# KiCad board mezi_panel.kicad_pcb (continued)
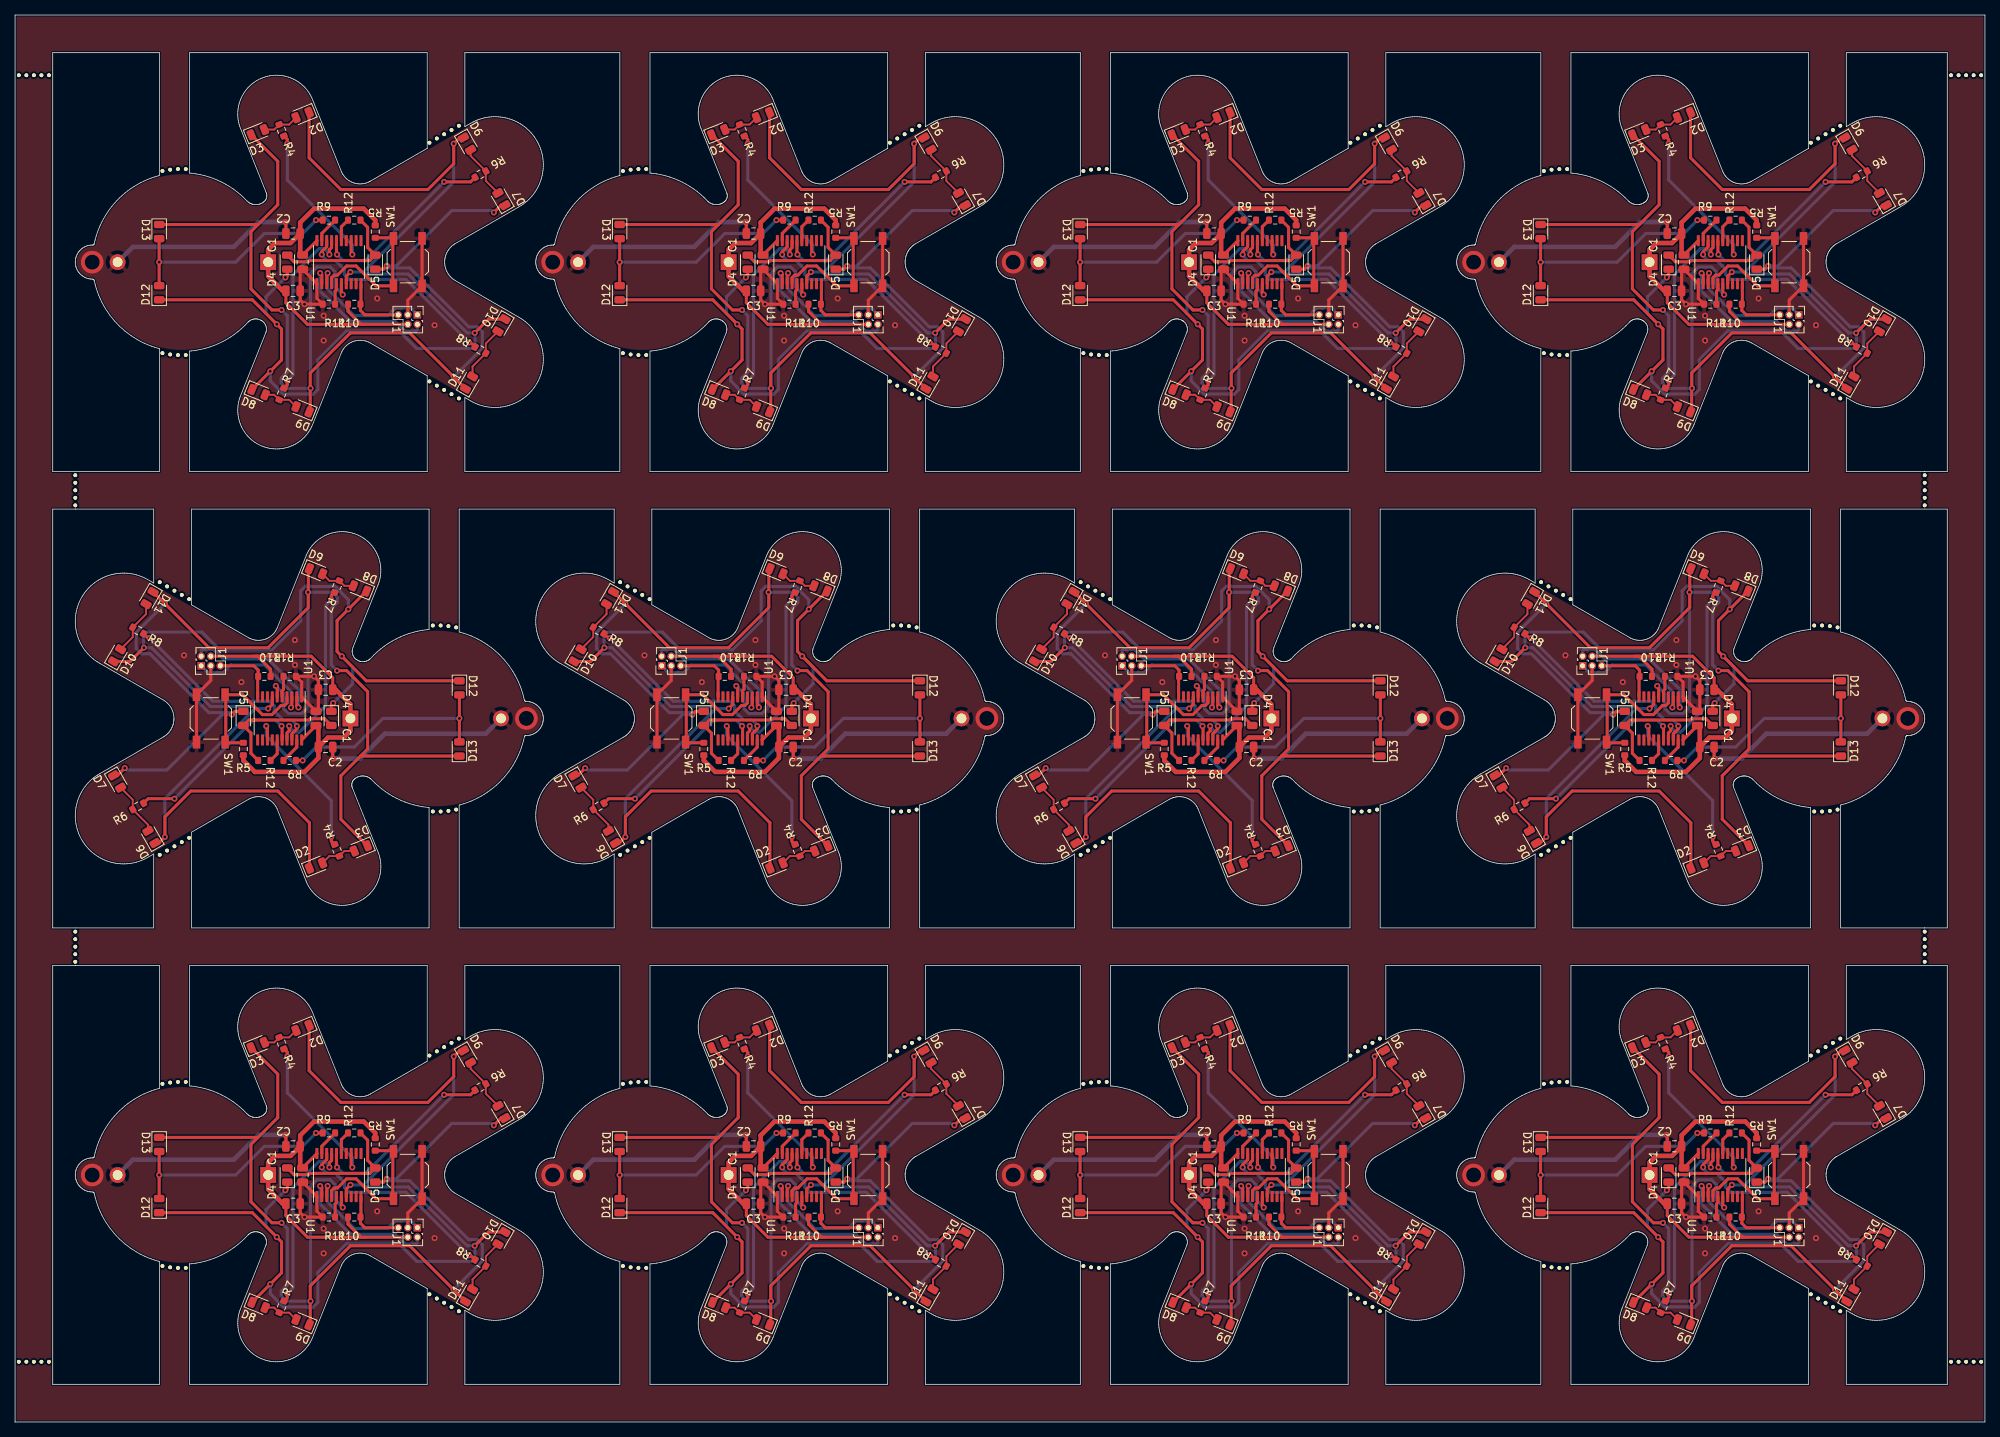
[diagram p0: board, top side]
## Placement (name value [footprint] x y rotation side) (continued)
KiKit_MB_41_2  -  [NPTH]  141.88 20.72 0 top
KiKit_MB_41_3  -  [NPTH]  142.9 20.55 0 top
KiKit_MB_41_4  -  [NPTH]  143.94 20.47 0 top
KiKit_MB_41_5  -  [NPTH]  144.98 20.47 0 top
KiKit_MB_42_2  -  [NPTH]  177.34 16.97 0 top
KiKit_MB_42_3  -  [NPTH]  178.32 16.4 0 top
KiKit_MB_42_4  -  [NPTH]  179.29 15.84 0 top
KiKit_MB_42_5  -  [NPTH]  180.27 15.28 0 top
KiKit_MB_42_6  -  [NPTH]  181.25 14.71 0 top
KiKit_MB_43_2  -  [NPTH]  181.25 50.95 0 top
KiKit_MB_43_3  -  [NPTH]  180.27 50.38 0 top
KiKit_MB_43_4  -  [NPTH]  179.29 49.82 0 top
KiKit_MB_43_5  -  [NPTH]  178.32 49.25 0 top
KiKit_MB_43_6  -  [NPTH]  177.34 48.69 0 top
KiKit_MB_44_2  -  [NPTH]  144.98 45.19 0 top
KiKit_MB_44_3  -  [NPTH]  143.94 45.19 0 top
KiKit_MB_44_4  -  [NPTH]  142.9 45.11 0 top
KiKit_MB_44_5  -  [NPTH]  141.88 44.93 0 top
KiKit_MB_45_2  -  [NPTH]  203.03 20.72 0 top
KiKit_MB_45_3  -  [NPTH]  204.06 20.55 0 top
KiKit_MB_45_4  -  [NPTH]  205.09 20.47 0 top
KiKit_MB_45_5  -  [NPTH]  206.13 20.47 0 top
KiKit_MB_46_2  -  [NPTH]  238.49 16.97 0 top
KiKit_MB_46_3  -  [NPTH]  239.47 16.4 0 top
KiKit_MB_46_4  -  [NPTH]  240.45 15.84 0 top
KiKit_MB_46_5  -  [NPTH]  241.42 15.28 0 top
KiKit_MB_46_6  -  [NPTH]  242.4 14.71 0 top
KiKit_MB_47_2  -  [NPTH]  242.4 50.95 0 top
KiKit_MB_47_3  -  [NPTH]  241.42 50.38 0 top
KiKit_MB_47_4  -  [NPTH]  240.45 49.82 0 top
KiKit_MB_47_5  -  [NPTH]  239.47 49.25 0 top
KiKit_MB_47_6  -  [NPTH]  238.49 48.69 0 top
KiKit_MB_48_2  -  [NPTH]  206.13 45.19 0 top
KiKit_MB_48_3  -  [NPTH]  205.09 45.19 0 top
KiKit_MB_48_4  -  [NPTH]  204.06 45.11 0 top
KiKit_MB_48_5  -  [NPTH]  203.03 44.93 0 top
KiKit_MB_51_2  -  [NPTH]  8 125.82 0 top
KiKit_MB_51_3  -  [NPTH]  8 124.82 0 top
KiKit_MB_51_4  -  [NPTH]  8 123.82 0 top
KiKit_MB_51_5  -  [NPTH]  8 122.82 0 top
KiKit_MB_51_6  -  [NPTH]  8 121.82 0 top
KiKit_MB_52_2  -  [NPTH]  253.61 125.82 0 top
KiKit_MB_52_3  -  [NPTH]  253.61 124.82 0 top
KiKit_MB_52_4  -  [NPTH]  253.61 123.82 0 top
KiKit_MB_52_5  -  [NPTH]  253.61 122.82 0 top
KiKit_MB_52_6  -  [NPTH]  253.61 121.82 0 top
KiKit_MB_56_2  -  [NPTH]  8 65.16 0 top
KiKit_MB_56_3  -  [NPTH]  8 64.16 0 top
KiKit_MB_56_4  -  [NPTH]  8 63.16 0 top
KiKit_MB_56_5  -  [NPTH]  8 62.16 0 top
KiKit_MB_56_6  -  [NPTH]  8 61.16 0 top
KiKit_MB_57_2  -  [NPTH]  253.61 65.16 0 top
KiKit_MB_57_3  -  [NPTH]  253.61 64.16 0 top
KiKit_MB_57_4  -  [NPTH]  253.61 63.16 0 top
KiKit_MB_57_5  -  [NPTH]  253.61 62.16 0 top
KiKit_MB_57_6  -  [NPTH]  253.61 61.16 0 top
KiKit_MB_62_2  -  [NPTH]  0.5 178.98 0 top
KiKit_MB_62_3  -  [NPTH]  1.5 178.98 0 top
KiKit_MB_62_4  -  [NPTH]  2.5 178.98 0 top
KiKit_MB_62_5  -  [NPTH]  3.5 178.98 0 top
KiKit_MB_62_6  -  [NPTH]  4.5 178.98 0 top
KiKit_MB_63_2  -  [NPTH]  0.5 8 0 top
KiKit_MB_63_3  -  [NPTH]  1.5 8 0 top
KiKit_MB_63_4  -  [NPTH]  2.5 8 0 top
KiKit_MB_63_5  -  [NPTH]  3.5 8 0 top
KiKit_MB_63_6  -  [NPTH]  4.5 8 0 top
KiKit_MB_64_2  -  [NPTH]  257.11 178.98 0 top
KiKit_MB_64_3  -  [NPTH]  258.11 178.98 0 top
KiKit_MB_64_4  -  [NPTH]  259.11 178.98 0 top
KiKit_MB_64_5  -  [NPTH]  260.11 178.98 0 top
KiKit_MB_64_6  -  [NPTH]  261.11 178.98 0 top
KiKit_MB_65_2  -  [NPTH]  257.11 8 0 top
KiKit_MB_65_3  -  [NPTH]  258.11 8 0 top
KiKit_MB_65_4  -  [NPTH]  259.11 8 0 top
KiKit_MB_65_5  -  [NPTH]  260.11 8 0 top
KiKit_MB_65_6  -  [NPTH]  261.11 8 0 top
R4  1k  [R_0603_1608Metric]  42.76 75.97 112 top
R4#2  1k  [R_0603_1608Metric]  96.55 50.34 292 top
R4#3  1k  [R_0603_1608Metric]  165.07 75.97 112 top
R4#4  1k  [R_0603_1608Metric]  157.7 50.34 292 top
R4#5  1k  [R_0603_1608Metric]  35.39 50.34 292 top
R4#6  1k  [R_0603_1608Metric]  35.39 171.66 292 top
R4#7  1k  [R_0603_1608Metric]  157.7 171.66 292 top
R4#8  1k  [R_0603_1608Metric]  218.85 50.34 292 top
R4#9  1k  [R_0603_1608Metric]  103.91 75.97 112 top
R4#10  1k  [R_0603_1608Metric]  226.22 75.97 112 top
R4#11  1k  [R_0603_1608Metric]  218.85 171.66 292 top
R4#12  1k  [R_0603_1608Metric]  96.55 171.66 292 top
R5  1k  [R_0603_1608Metric]  106.2 38.41 180 top
R5#2  1k  [R_0603_1608Metric]  228.5 159.72 180 top
R5#3  1k  [R_0603_1608Metric]  94.26 87.91 0 top
R5#4  1k  [R_0603_1608Metric]  106.2 159.72 180 top
R5#5  1k  [R_0603_1608Metric]  45.05 38.41 180 top
R5#6  1k  [R_0603_1608Metric]  167.35 38.41 180 top
R5#7  1k  [R_0603_1608Metric]  45.05 159.72 180 top
R5#8  1k  [R_0603_1608Metric]  216.57 87.91 0 top
R5#9  1k  [R_0603_1608Metric]  167.35 159.72 180 top
R5#10  1k  [R_0603_1608Metric]  155.41 87.91 0 top
R5#11  1k  [R_0603_1608Metric]  33.11 87.91 0 top
R5#12  1k  [R_0603_1608Metric]  228.5 38.41 180 top
R6  1k  [R_0603_1608Metric]  61.81 44.5 210 top
R6#2  1k  [R_0603_1608Metric]  138.65 81.82 30 top
R6#3  1k  [R_0603_1608Metric]  122.96 165.82 210 top
R6#4  1k  [R_0603_1608Metric]  16.34 81.82 30 top
R6#5  1k  [R_0603_1608Metric]  77.5 81.82 30 top
R6#6  1k  [R_0603_1608Metric]  245.27 165.82 210 top
R6#7  1k  [R_0603_1608Metric]  122.96 44.5 210 top
R6#8  1k  [R_0603_1608Metric]  184.12 165.82 210 top
R6#9  1k  [R_0603_1608Metric]  184.12 44.5 210 top
R6#10  1k  [R_0603_1608Metric]  199.8 81.82 30 top
R6#11  1k  [R_0603_1608Metric]  61.81 165.82 210 top
R6#12  1k  [R_0603_1608Metric]  245.27 44.5 210 top
R7  1k  [R_0603_1608Metric]  226.22 111.03 248 top
R7#2  1k  [R_0603_1608Metric]  42.76 111.03 248 top
R7#3  1k  [R_0603_1608Metric]  218.85 136.61 68 top
R7#4  1k  [R_0603_1608Metric]  96.55 136.61 68 top
R7#5  1k  [R_0603_1608Metric]  103.91 111.03 248 top
R7#6  1k  [R_0603_1608Metric]  157.7 136.61 68 top
R7#7  1k  [R_0603_1608Metric]  96.55 15.29 68 top
R7#8  1k  [R_0603_1608Metric]  35.39 15.29 68 top
R7#9  1k  [R_0603_1608Metric]  165.07 111.03 248 top
R7#10  1k  [R_0603_1608Metric]  218.85 15.29 68 top
R7#11  1k  [R_0603_1608Metric]  157.7 15.29 68 top
R7#12  1k  [R_0603_1608Metric]  35.39 136.61 68 top
R8  1k  [R_0603_1608Metric]  245.27 21.13 150 top
R8#2  1k  [R_0603_1608Metric]  122.96 21.13 150 top
R8#3  1k  [R_0603_1608Metric]  184.12 21.13 150 top
R8#4  1k  [R_0603_1608Metric]  77.5 105.18 330 top
R8#5  1k  [R_0603_1608Metric]  61.81 21.13 150 top
R8#6  1k  [R_0603_1608Metric]  122.96 142.45 150 top
R8#7  1k  [R_0603_1608Metric]  16.34 105.18 330 top
R8#8  1k  [R_0603_1608Metric]  61.81 142.45 150 top
R8#9  1k  [R_0603_1608Metric]  245.27 142.45 150 top
R8#10  1k  [R_0603_1608Metric]  184.12 142.45 150 top
R8#11  1k  [R_0603_1608Metric]  138.65 105.18 330 top
R8#12  1k  [R_0603_1608Metric]  199.8 105.18 330 top
R9  1k  [R_0603_1608Metric]  225.14 159.72 0 top
R9#2  1k  [R_0603_1608Metric]  163.99 159.72 0 top
R9#3  1k  [R_0603_1608Metric]  219.93 87.91 180 top
R9#4  1k  [R_0603_1608Metric]  163.99 38.41 0 top
R9#5  1k  [R_0603_1608Metric]  102.83 159.72 0 top
R9#6  1k  [R_0603_1608Metric]  97.63 87.91 180 top
R9#7  1k  [R_0603_1608Metric]  225.14 38.41 0 top
R9#8  1k  [R_0603_1608Metric]  41.68 159.72 0 top
R9#9  1k  [R_0603_1608Metric]  41.68 38.41 0 top
R9#10  1k  [R_0603_1608Metric]  102.83 38.41 0 top
R9#11  1k  [R_0603_1608Metric]  158.78 87.91 180 top
R9#12  1k  [R_0603_1608Metric]  36.47 87.91 180 top
R10  100k  [R_0603_1608Metric]  216.57 99.09 180 top
R10#2  100k  [R_0603_1608Metric]  228.5 27.23 0 top
R10#3  100k  [R_0603_1608Metric]  106.2 148.55 0 top
R10#4  100k  [R_0603_1608Metric]  167.35 27.23 0 top
R10#5  100k  [R_0603_1608Metric]  45.05 148.55 0 top
R10#6  100k  [R_0603_1608Metric]  94.26 99.09 180 top
R10#7  100k  [R_0603_1608Metric]  167.35 148.55 0 top
R10#8  100k  [R_0603_1608Metric]  155.41 99.09 180 top
R10#9  100k  [R_0603_1608Metric]  45.05 27.23 0 top
R10#10  100k  [R_0603_1608Metric]  228.5 148.55 0 top
R10#11  100k  [R_0603_1608Metric]  33.11 99.09 180 top
R10#12  100k  [R_0603_1608Metric]  106.2 27.23 0 top
R11  100k  [R_0603_1608Metric]  97.63 99.09 180 top
R11#2  100k  [R_0603_1608Metric]  41.68 148.55 0 top
R11#3  100k  [R_0603_1608Metric]  158.78 99.09 180 top
R11#4  100k  [R_0603_1608Metric]  102.83 148.55 0 top
R11#5  100k  [R_0603_1608Metric]  41.68 27.23 0 top
R11#6  100k  [R_0603_1608Metric]  225.14 27.23 0 top
R11#7  100k  [R_0603_1608Metric]  225.14 148.55 0 top
R11#8  100k  [R_0603_1608Metric]  163.99 27.23 0 top
R11#9  100k  [R_0603_1608Metric]  163.99 148.55 0 top
R11#10  100k  [R_0603_1608Metric]  219.93 99.09 180 top
R11#11  100k  [R_0603_1608Metric]  36.47 99.09 180 top
R11#12  100k  [R_0603_1608Metric]  102.83 27.23 0 top
R12  100k  [R_0603_1608Metric]  231.3 158.2 90 top
R12#2  100k  [R_0603_1608Metric]  152.62 89.44 270 top
R12#3  100k  [R_0603_1608Metric]  30.31 89.44 270 top
R12#4  100k  [R_0603_1608Metric]  108.99 36.88 90 top
R12#5  100k  [R_0603_1608Metric]  108.99 158.2 90 top
R12#6  100k  [R_0603_1608Metric]  213.77 89.44 270 top
R12#7  100k  [R_0603_1608Metric]  170.15 158.2 90 top
R12#8  100k  [R_0603_1608Metric]  170.15 36.88 90 top
R12#9  100k  [R_0603_1608Metric]  47.84 158.2 90 top
R12#10  100k  [R_0603_1608Metric]  231.3 36.88 90 top
R12#11  100k  [R_0603_1608Metric]  91.47 89.44 270 top
R12#12  100k  [R_0603_1608Metric]  47.84 36.88 90 top
SW1  SW_DPST_x2  [SW_SPST_TL3342]  174.46 32.82 90 top
SW1#2  SW_DPST_x2  [SW_SPST_TL3342]  87.15 93.5 270 top
SW1#3  SW_DPST_x2  [SW_SPST_TL3342]  174.46 154.13 90 top
SW1#4  SW_DPST_x2  [SW_SPST_TL3342]  235.62 154.13 90 top
SW1#5  SW_DPST_x2  [SW_SPST_TL3342]  113.31 32.82 90 top
SW1#6  SW_DPST_x2  [SW_SPST_TL3342]  235.62 32.82 90 top
SW1#7  SW_DPST_x2  [SW_SPST_TL3342]  26 93.5 270 top
SW1#8  SW_DPST_x2  [SW_SPST_TL3342]  209.46 93.5 270 top
SW1#9  SW_DPST_x2  [SW_SPST_TL3342]  113.31 154.13 90 top
SW1#10  SW_DPST_x2  [SW_SPST_TL3342]  148.3 93.5 270 top
SW1#11  SW_DPST_x2  [SW_SPST_TL3342]  52.16 154.13 90 top
SW1#12  SW_DPST_x2  [SW_SPST_TL3342]  52.16 32.82 90 top
U1  PY32F002AF15P6TU  [TSSOP-20_4.4x6.5mm_P0.65mm]  218.6 93.5 90 top
U1#2  PY32F002AF15P6TU  [TSSOP-20_4.4x6.5mm_P0.65mm]  165.32 154.13 270 top
U1#3  PY32F002AF15P6TU  [TSSOP-20_4.4x6.5mm_P0.65mm]  43.01 154.13 270 top
U1#4  PY32F002AF15P6TU  [TSSOP-20_4.4x6.5mm_P0.65mm]  165.32 32.82 270 top
U1#5  PY32F002AF15P6TU  [TSSOP-20_4.4x6.5mm_P0.65mm]  96.29 93.5 90 top
U1#6  PY32F002AF15P6TU  [TSSOP-20_4.4x6.5mm_P0.65mm]  157.45 93.5 90 top
U1#7  PY32F002AF15P6TU  [TSSOP-20_4.4x6.5mm_P0.65mm]  226.47 32.82 270 top
U1#8  PY32F002AF15P6TU  [TSSOP-20_4.4x6.5mm_P0.65mm]  43.01 32.82 270 top
U1#9  PY32F002AF15P6TU  [TSSOP-20_4.4x6.5mm_P0.65mm]  104.17 32.82 270 top
U1#10  PY32F002AF15P6TU  [TSSOP-20_4.4x6.5mm_P0.65mm]  104.17 154.13 270 top
U1#11  PY32F002AF15P6TU  [TSSOP-20_4.4x6.5mm_P0.65mm]  35.14 93.5 90 top
U1#12  PY32F002AF15P6TU  [TSSOP-20_4.4x6.5mm_P0.65mm]  226.47 154.13 270 top

## Library data of the parts
BT1 BT1#2-BT1#12 = -: Description: Multiple-cell battery
C1 C1#2-C1#12 C2 C2#2-C2#12 C3 C3#2-C3#12 = -: Description: Unpolarized capacitor
D2 D2#2-D2#12 D3 D3#2-D3#12 D4 D4#2-D4#12 D5 D5#2-D5#12 D6 D6#2-D6#12 D7 D7#2-D7#12 D8 D8#2-D8#12 D9 D9#2-D9#12 D10 D10#2-D10#12 D11 D11#2-D11#12 D12 D12#2-D12#12 D13 D13#2-D13#12 = -: Description: Light emitting diode
J1 J1#2-J1#12 = -: Description: Generic connector, double row, 05 pins, odd/even pin numbering scheme (row 1 odd numbers, row 2 even numbers), script generated (kicad-library-utils/schlib/autogen/connector/)
R4 R4#2-R4#12 R5 R5#2-R5#12 R6 R6#2-R6#12 R7 R7#2-R7#12 R8 R8#2-R8#12 R9 R9#2-R9#12 R10 R10#2-R10#12 R11 R11#2-R11#12 R12 R12#2-R12#12 = -: Description: Resistor
SW1 SW1#2-SW1#12 = -: Description: Single Pole Single Throw (SPST) switch, separate symbol

## Footprints (pads in the part's own frame, mm; a bottom-side part is the same pattern mirrored in y, then rotated)
C_0805_2012Metric
  rrect 1x1.45 smd: 1(-0.95,0) 2(0.95,0)
CR2032_Holder
  rect 2.1x2.1 hole 1.3: 1(0,0)
  round 2.1 hole 1.3: 2(20,0)
LED_0805_2012Metric
  rrect 0.975x1.4 smd: 1(-0.938,0) 2(0.938,0)
NPTH
  round 0.5 hole 0.5 unplated: (0,0)
ProgConnector_5pin
  rect 1x1 hole 0.65: 1(0,0)
  oval 1x1 hole 0.65: 2(1.27,0) 3(0,-1.27) 4(1.27,-1.27) 5(0,-2.54)
R_0603_1608Metric
  rrect 0.8x0.95 smd: 1(-0.825,0) 2(0.825,0)
SW_SPST_TL3342
  rect 1.7x1 smd: 1(-3.15,1.9) 1(3.15,1.9) 2(-3.15,-1.9) 2(3.15,-1.9)
TSSOP-20_4.4x6.5mm_P0.65mm
  rrect 1.475x0.4 smd: 1(2.862,-2.925) 2(2.862,-2.275) 3(2.862,-1.625) 4(2.862,-0.975) 5(2.862,-0.325) 6(2.862,0.325) 7(2.862,0.975) 8(2.862,1.625) 9(2.862,2.275) 10(2.862,2.925) 11(-2.862,2.925) 12(-2.862,2.275) 13(-2.862,1.625) 14(-2.862,0.975) 15(-2.862,0.325) 16(-2.862,-0.325) 17(-2.862,-0.975) 18(-2.862,-1.625) 19(-2.862,-2.275) 20(-2.862,-2.925)

## Nets
Board_0-/B: U1#3.12
Board_0-/G: U1#3.14
Board_0-/L1: R4#6.2 U1#3.13
Board_0-/L2: R5#7.2 U1#3.15
Board_0-/L3: R6#11.2 U1#3.16
Board_0-/L4: R7#12.2 U1#3.17
Board_0-/L5: R8#8.2 U1#3.18
Board_0-/L6: R9#8.2 U1#3.19
Board_0-/MPX1: D3#11.1 D5#5.1 D7#6.1 D9#5.1 D11#9.1 D13.1 U1#3.6
Board_0-/MPX2: D2#4.1 D4#9.1 D6#7.1 D8#6.1 D10#2.1 D12#5.1 U1#3.7
Board_0-/nRST: J1#11.5 R10#5.2 U1#3.10
Board_0-/R: U1#3.11
Board_0-/SWC: J1#11.1 U1#3.3
Board_0-/SWD: J1#11.2 U1#3.2
Board_0-GND: BT1#12.2 C1#8.1 C2#4.2 C3#10.2 J1#11.3 R11#2.1 SW1#11.2 U1#3.1
Board_0-Net-(D2-A): D2#4.2 D3#11.2 R4#6.1
Board_0-Net-(D4-A): D4#9.2 D5#5.2 R5#7.1
Board_0-Net-(D6-A): D6#7.2 D7#6.2 R6#11.1
Board_0-Net-(D8-A): D8#6.2 D9#5.2 R7#12.1
Board_0-Net-(D10-A): D10#2.2 D11#9.2 R8#8.1
Board_0-Net-(D12-A): D12#5.2 D13.2 R9#8.1
Board_0-Net-(SW1A-A): R12#9.1 SW1#11.1 U1#3.4
Board_0-Net-(U1-PB6/PF4-BOOT0): R11#2.2 U1#3.5
Board_0-unconnected-(U1-PF0-OSCIN-Pad8): U1#3.8
Board_0-unconnected-(U1-PF1-OSCOUT-Pad9): U1#3.9
Board_0-VCC: BT1#12.1 C1#8.2 C2#4.1 C3#10.1 J1#11.4 R10#5.1 R12#9.2 U1#3.20
Board_1-/B: U1#10.12
Board_1-/G: U1#10.14
Board_1-/L1: R4#12.2 U1#10.13
Board_1-/L2: R5#4.2 U1#10.15
Board_1-/L3: R6#3.2 U1#10.16
Board_1-/L4: R7#4.2 U1#10.17
Board_1-/L5: R8#6.2 U1#10.18
Board_1-/L6: R9#5.2 U1#10.19
Board_1-/MPX1: D3#2.1 D5#3.1 D7#10.1 D9#6.1 D11.1 D13#9.1 U1#10.6
Board_1-/MPX2: D2#2.1 D4.1 D6#2.1 D8#9.1 D10#6.1 D12#12.1 U1#10.7
Board_1-/nRST: J1#2.5 R10#3.2 U1#10.10
Board_1-/R: U1#10.11
Board_1-/SWC: J1#2.1 U1#10.3
Board_1-/SWD: J1#2.2 U1#10.2
Board_1-GND: BT1.2 C1#5.1 C2#11.2 C3#6.2 J1#2.3 R11#4.1 SW1#9.2 U1#10.1
Board_1-Net-(D2-A): D2#2.2 D3#2.2 R4#12.1
Board_1-Net-(D4-A): D4.2 D5#3.2 R5#4.1
Board_1-Net-(D6-A): D6#2.2 D7#10.2 R6#3.1
Board_1-Net-(D8-A): D8#9.2 D9#6.2 R7#4.1
Board_1-Net-(D10-A): D10#6.2 D11.2 R8#6.1
Board_1-Net-(D12-A): D12#12.2 D13#9.2 R9#5.1
Board_1-Net-(SW1A-A): R12#5.1 SW1#9.1 U1#10.4
Board_1-Net-(U1-PB6/PF4-BOOT0): R11#4.2 U1#10.5
Board_1-unconnected-(U1-PF0-OSCIN-Pad8): U1#10.8
Board_1-unconnected-(U1-PF1-OSCOUT-Pad9): U1#10.9
Board_1-VCC: BT1.1 C1#5.2 C2#11.1 C3#6.1 J1#2.4 R10#3.1 R12#5.2 U1#10.20
Board_2-/B: U1#2.12
Board_2-/G: U1#2.14
Board_2-/L1: R4#7.2 U1#2.13
Board_2-/L2: R5#9.2 U1#2.15
Board_2-/L3: R6#8.2 U1#2.16
Board_2-/L4: R7#6.2 U1#2.17
Board_2-/L5: R8#10.2 U1#2.18
Board_2-/L6: R9#2.2 U1#2.19
Board_2-/MPX1: D3#7.1 D5#2.1 D7#12.1 D9.1 D11#2.1 D13#5.1 U1#2.6
Board_2-/MPX2: D2#11.1 D4#4.1 D6#5.1 D8#2.1 D10#8.1 D12.1 U1#2.7
Board_2-/nRST: J1#5.5 R10#7.2 U1#2.10
Board_2-/R: U1#2.11
Board_2-/SWC: J1#5.1 U1#2.3
Board_2-/SWD: J1#5.2 U1#2.2
Board_2-GND: BT1#6.2 C1#3.1 C2#2.2 C3.2 J1#5.3 R11#9.1 SW1#3.2 U1#2.1
Board_2-Net-(D2-A): D2#11.2 D3#7.2 R4#7.1
Board_2-Net-(D4-A): D4#4.2 D5#2.2 R5#9.1
Board_2-Net-(D6-A): D6#5.2 D7#12.2 R6#8.1
Board_2-Net-(D8-A): D8#2.2 D9.2 R7#6.1
Board_2-Net-(D10-A): D10#8.2 D11#2.2 R8#10.1
Board_2-Net-(D12-A): D12.2 D13#5.2 R9#2.1
Board_2-Net-(SW1A-A): R12#7.1 SW1#3.1 U1#2.4
Board_2-Net-(U1-PB6/PF4-BOOT0): R11#9.2 U1#2.5
Board_2-unconnected-(U1-PF0-OSCIN-Pad8): U1#2.8
Board_2-unconnected-(U1-PF1-OSCOUT-Pad9): U1#2.9
Board_2-VCC: BT1#6.1 C1#3.2 C2#2.1 C3.1 J1#5.4 R10#7.1 R12#7.2 U1#2.20
Board_3-/B: U1#12.12
Board_3-/G: U1#12.14
Board_3-/L1: R4#11.2 U1#12.13
Board_3-/L2: R5#2.2 U1#12.15
Board_3-/L3: R6#6.2 U1#12.16
Board_3-/L4: R7#3.2 U1#12.17
Board_3-/L5: R8#9.2 U1#12.18
Board_3-/L6: R9.2 U1#12.19
Board_3-/MPX1: D3.1 D5#6.1 D7.1 D9#7.1 D11#6.1 D13#3.1 U1#12.6
Board_3-/MPX2: D2#9.1 D4#11.1 D6#10.1 D8#7.1 D10#10.1 D12#3.1 U1#12.7
Board_3-/nRST: J1#6.5 R10#10.2 U1#12.10
Board_3-/R: U1#12.11
Board_3-/SWC: J1#6.1 U1#12.3
Board_3-/SWD: J1#6.2 U1#12.2
Board_3-GND: BT1#4.2 C1#11.1 C2#7.2 C3#2.2 J1#6.3 R11#7.1 SW1#4.2 U1#12.1
Board_3-Net-(D2-A): D2#9.2 D3.2 R4#11.1
Board_3-Net-(D4-A): D4#11.2 D5#6.2 R5#2.1
Board_3-Net-(D6-A): D6#10.2 D7.2 R6#6.1
Board_3-Net-(D8-A): D8#7.2 D9#7.2 R7#3.1
Board_3-Net-(D10-A): D10#10.2 D11#6.2 R8#9.1
Board_3-Net-(D12-A): D12#3.2 D13#3.2 R9.1
Board_3-Net-(SW1A-A): R12.1 SW1#4.1 U1#12.4
Board_3-Net-(U1-PB6/PF4-BOOT0): R11#7.2 U1#12.5
Board_3-unconnected-(U1-PF0-OSCIN-Pad8): U1#12.8
Board_3-unconnected-(U1-PF1-OSCOUT-Pad9): U1#12.9
Board_3-VCC: BT1#4.1 C1#11.2 C2#7.1 C3#2.1 J1#6.4 R10#10.1 R12.2 U1#12.20
Board_4-/B: U1#11.12
Board_4-/G: U1#11.14
Board_4-/L1: R4.2 U1#11.13
Board_4-/L2: R5#11.2 U1#11.15
Board_4-/L3: R6#4.2 U1#11.16
Board_4-/L4: R7#2.2 U1#11.17
Board_4-/L5: R8#7.2 U1#11.18
Board_4-/L6: R9#12.2 U1#11.19
Board_4-/MPX1: D3#4.1 D5#10.1 D7#9.1 D9#9.1 D11#12.1 D13#12.1 U1#11.6
Board_4-/MPX2: D2#5.1 D4#8.1 D6#8.1 D8#10.1 D10#9.1 D12#11.1 U1#11.7
Board_4-/nRST: J1#8.5 R10#11.2 U1#11.10
Board_4-/R: U1#11.11
Board_4-/SWC: J1#8.1 U1#11.3
Board_4-/SWD: J1#8.2 U1#11.2
Board_4-GND: BT1#2.2 C1#6.1 C2#6.2 C3#12.2 J1#8.3 R11#11.1 SW1#7.2 U1#11.1
Board_4-Net-(D2-A): D2#5.2 D3#4.2 R4.1
Board_4-Net-(D4-A): D4#8.2 D5#10.2 R5#11.1
Board_4-Net-(D6-A): D6#8.2 D7#9.2 R6#4.1
Board_4-Net-(D8-A): D8#10.2 D9#9.2 R7#2.1
Board_4-Net-(D10-A): D10#9.2 D11#12.2 R8#7.1
Board_4-Net-(D12-A): D12#11.2 D13#12.2 R9#12.1
Board_4-Net-(SW1A-A): R12#3.1 SW1#7.1 U1#11.4
Board_4-Net-(U1-PB6/PF4-BOOT0): R11#11.2 U1#11.5
Board_4-unconnected-(U1-PF0-OSCIN-Pad8): U1#11.8
Board_4-unconnected-(U1-PF1-OSCOUT-Pad9): U1#11.9
Board_4-VCC: BT1#2.1 C1#6.2 C2#6.1 C3#12.1 J1#8.4 R10#11.1 R12#3.2 U1#11.20
Board_5-/B: U1#5.12
Board_5-/G: U1#5.14
Board_5-/L1: R4#9.2 U1#5.13
Board_5-/L2: R5#3.2 U1#5.15
Board_5-/L3: R6#5.2 U1#5.16
Board_5-/L4: R7#5.2 U1#5.17
Board_5-/L5: R8#4.2 U1#5.18
Board_5-/L6: R9#6.2 U1#5.19
Board_5-/MPX1: D3#9.1 D5.1 D7#11.1 D9#4.1 D11#10.1 D13#4.1 U1#5.6
Board_5-/MPX2: D2#8.1 D4#12.1 D6#9.1 D8#8.1 D10#7.1 D12#2.1 U1#5.7
Board_5-/nRST: J1#3.5 R10#6.2 U1#5.10
Board_5-/R: U1#5.11
Board_5-/SWC: J1#3.1 U1#5.3
Board_5-/SWD: J1#3.2 U1#5.2
Board_5-GND: BT1#8.2 C1#7.1 C2#5.2 C3#4.2 J1#3.3 R11.1 SW1#2.2 U1#5.1
Board_5-Net-(D2-A): D2#8.2 D3#9.2 R4#9.1
Board_5-Net-(D4-A): D4#12.2 D5.2 R5#3.1
Board_5-Net-(D6-A): D6#9.2 D7#11.2 R6#5.1
Board_5-Net-(D8-A): D8#8.2 D9#4.2 R7#5.1
Board_5-Net-(D10-A): D10#7.2 D11#10.2 R8#4.1
Board_5-Net-(D12-A): D12#2.2 D13#4.2 R9#6.1
Board_5-Net-(SW1A-A): R12#11.1 SW1#2.1 U1#5.4
Board_5-Net-(U1-PB6/PF4-BOOT0): R11.2 U1#5.5
Board_5-unconnected-(U1-PF0-OSCIN-Pad8): U1#5.8
Board_5-unconnected-(U1-PF1-OSCOUT-Pad9): U1#5.9
Board_5-VCC: BT1#8.1 C1#7.2 C2#5.1 C3#4.1 J1#3.4 R10#6.1 R12#11.2 U1#5.20
Board_6-/B: U1#6.12
Board_6-/G: U1#6.14
Board_6-/L1: R4#3.2 U1#6.13
Board_6-/L2: R5#10.2 U1#6.15
Board_6-/L3: R6#2.2 U1#6.16
Board_6-/L4: R7#9.2 U1#6.17
Board_6-/L5: R8#11.2 U1#6.18
Board_6-/L6: R9#11.2 U1#6.19
Board_6-/MPX1: D3#12.1 D5#8.1 D7#3.1 D9#12.1 D11#5.1 D13#7.1 U1#6.6
Board_6-/MPX2: D2#3.1 D4#5.1 D6#6.1 D8#3.1 D10#11.1 D12#9.1 U1#6.7
Board_6-/nRST: J1#4.5 R10#8.2 U1#6.10
Board_6-/R: U1#6.11
Board_6-/SWC: J1#4.1 U1#6.3
Board_6-/SWD: J1#4.2 U1#6.2
Board_6-GND: BT1#7.2 C1.1 C2.2 C3#3.2 J1#4.3 R11#3.1 SW1#10.2 U1#6.1
Board_6-Net-(D2-A): D2#3.2 D3#12.2 R4#3.1
Board_6-Net-(D4-A): D4#5.2 D5#8.2 R5#10.1
Board_6-Net-(D6-A): D6#6.2 D7#3.2 R6#2.1
Board_6-Net-(D8-A): D8#3.2 D9#12.2 R7#9.1
Board_6-Net-(D10-A): D10#11.2 D11#5.2 R8#11.1
Board_6-Net-(D12-A): D12#9.2 D13#7.2 R9#11.1
Board_6-Net-(SW1A-A): R12#2.1 SW1#10.1 U1#6.4
Board_6-Net-(U1-PB6/PF4-BOOT0): R11#3.2 U1#6.5
Board_6-unconnected-(U1-PF0-OSCIN-Pad8): U1#6.8
Board_6-unconnected-(U1-PF1-OSCOUT-Pad9): U1#6.9
Board_6-VCC: BT1#7.1 C1.2 C2.1 C3#3.1 J1#4.4 R10#8.1 R12#2.2 U1#6.20
Board_7-/B: U1.12
Board_7-/G: U1.14
Board_7-/L1: R4#10.2 U1.13
Board_7-/L2: R5#8.2 U1.15
Board_7-/L3: R6#10.2 U1.16
Board_7-/L4: R7.2 U1.17
Board_7-/L5: R8#12.2 U1.18
Board_7-/L6: R9#3.2 U1.19
Board_7-/MPX1: D3#8.1 D5#7.1 D7#5.1 D9#10.1 D11#4.1 D13#8.1 U1.6
Board_7-/MPX2: D2#12.1 D4#6.1 D6#11.1 D8#11.1 D10#5.1 D12#8.1 U1.7
Board_7-/nRST: J1#10.5 R10.2 U1.10
Board_7-/R: U1.11
Board_7-/SWC: J1#10.1 U1.3
Board_7-/SWD: J1#10.2 U1.2
Board_7-GND: BT1#9.2 C1#12.1 C2#8.2 C3#9.2 J1#10.3 R11#10.1 SW1#8.2 U1.1
Board_7-Net-(D2-A): D2#12.2 D3#8.2 R4#10.1
Board_7-Net-(D4-A): D4#6.2 D5#7.2 R5#8.1
Board_7-Net-(D6-A): D6#11.2 D7#5.2 R6#10.1
Board_7-Net-(D8-A): D8#11.2 D9#10.2 R7.1
Board_7-Net-(D10-A): D10#5.2 D11#4.2 R8#12.1
Board_7-Net-(D12-A): D12#8.2 D13#8.2 R9#3.1
Board_7-Net-(SW1A-A): R12#6.1 SW1#8.1 U1.4
Board_7-Net-(U1-PB6/PF4-BOOT0): R11#10.2 U1.5
Board_7-unconnected-(U1-PF0-OSCIN-Pad8): U1.8
Board_7-unconnected-(U1-PF1-OSCOUT-Pad9): U1.9
Board_7-VCC: BT1#9.1 C1#12.2 C2#8.1 C3#9.1 J1#10.4 R10.1 R12#6.2 U1.20
Board_8-/B: U1#8.12
Board_8-/G: U1#8.14
Board_8-/L1: R4#5.2 U1#8.13
Board_8-/L2: R5#5.2 U1#8.15
Board_8-/L3: R6.2 U1#8.16
Board_8-/L4: R7#8.2 U1#8.17
Board_8-/L5: R8#5.2 U1#8.18
Board_8-/L6: R9#9.2 U1#8.19
Board_8-/MPX1: D3#10.1 D5#12.1 D7#2.1 D9#8.1 D11#3.1 D13#2.1 U1#8.6
Board_8-/MPX2: D2.1 D4#2.1 D6#4.1 D8#4.1 D10#3.1 D12#10.1 U1#8.7
Board_8-/nRST: J1#7.5 R10#9.2 U1#8.10
Board_8-/R: U1#8.11
Board_8-/SWC: J1#7.1 U1#8.3
Board_8-/SWD: J1#7.2 U1#8.2
Board_8-GND: BT1#10.2 C1#2.1 C2#9.2 C3#5.2 J1#7.3 R11#5.1 SW1#12.2 U1#8.1
Board_8-Net-(D2-A): D2.2 D3#10.2 R4#5.1
Board_8-Net-(D4-A): D4#2.2 D5#12.2 R5#5.1
Board_8-Net-(D6-A): D6#4.2 D7#2.2 R6.1
Board_8-Net-(D8-A): D8#4.2 D9#8.2 R7#8.1
Board_8-Net-(D10-A): D10#3.2 D11#3.2 R8#5.1
Board_8-Net-(D12-A): D12#10.2 D13#2.2 R9#9.1
Board_8-Net-(SW1A-A): R12#12.1 SW1#12.1 U1#8.4
Board_8-Net-(U1-PB6/PF4-BOOT0): R11#5.2 U1#8.5
Board_8-unconnected-(U1-PF0-OSCIN-Pad8): U1#8.8
Board_8-unconnected-(U1-PF1-OSCOUT-Pad9): U1#8.9
Board_8-VCC: BT1#10.1 C1#2.2 C2#9.1 C3#5.1 J1#7.4 R10#9.1 R12#12.2 U1#8.20
Board_9-/B: U1#9.12
Board_9-/G: U1#9.14
Board_9-/L1: R4#2.2 U1#9.13
Board_9-/L2: R5.2 U1#9.15
Board_9-/L3: R6#7.2 U1#9.16
Board_9-/L4: R7#7.2 U1#9.17
Board_9-/L5: R8#2.2 U1#9.18
Board_9-/L6: R9#10.2 U1#9.19
Board_9-/MPX1: D3#3.1 D5#11.1 D7#7.1 D9#3.1 D11#7.1 D13#6.1 U1#9.6
Board_9-/MPX2: D2#7.1 D4#3.1 D6.1 D8#12.1 D10#4.1 D12#4.1 U1#9.7
Board_9-/nRST: J1.5 R10#12.2 U1#9.10
Board_9-/R: U1#9.11
Board_9-/SWC: J1.1 U1#9.3
Board_9-/SWD: J1.2 U1#9.2
Board_9-GND: BT1#5.2 C1#9.1 C2#10.2 C3#8.2 J1.3 R11#12.1 SW1#5.2 U1#9.1
Board_9-Net-(D2-A): D2#7.2 D3#3.2 R4#2.1
Board_9-Net-(D4-A): D4#3.2 D5#11.2 R5.1
Board_9-Net-(D6-A): D6.2 D7#7.2 R6#7.1
Board_9-Net-(D8-A): D8#12.2 D9#3.2 R7#7.1
Board_9-Net-(D10-A): D10#4.2 D11#7.2 R8#2.1
Board_9-Net-(D12-A): D12#4.2 D13#6.2 R9#10.1
Board_9-Net-(SW1A-A): R12#4.1 SW1#5.1 U1#9.4
Board_9-Net-(U1-PB6/PF4-BOOT0): R11#12.2 U1#9.5
Board_9-unconnected-(U1-PF0-OSCIN-Pad8): U1#9.8
Board_9-unconnected-(U1-PF1-OSCOUT-Pad9): U1#9.9
Board_9-VCC: BT1#5.1 C1#9.2 C2#10.1 C3#8.1 J1.4 R10#12.1 R12#4.2 U1#9.20
Board_10-/B: U1#4.12
Board_10-/G: U1#4.14
Board_10-/L1: R4#4.2 U1#4.13
Board_10-/L2: R5#6.2 U1#4.15
Board_10-/L3: R6#9.2 U1#4.16
Board_10-/L4: R7#11.2 U1#4.17
Board_10-/L5: R8#3.2 U1#4.18
Board_10-/L6: R9#4.2 U1#4.19
Board_10-/MPX1: D3#5.1 D5#9.1 D7#4.1 D9#11.1 D11#11.1 D13#11.1 U1#4.6
Board_10-/MPX2: D2#10.1 D4#7.1 D6#3.1 D8.1 D10.1 D12#7.1 U1#4.7
Board_10-/nRST: J1#12.5 R10#4.2 U1#4.10
Board_10-/R: U1#4.11
Board_10-/SWC: J1#12.1 U1#4.3
Board_10-/SWD: J1#12.2 U1#4.2
Board_10-GND: BT1#3.2 C1#10.1 C2#12.2 C3#11.2 J1#12.3 R11#8.1 SW1.2 U1#4.1
Board_10-Net-(D2-A): D2#10.2 D3#5.2 R4#4.1
Board_10-Net-(D4-A): D4#7.2 D5#9.2 R5#6.1
Board_10-Net-(D6-A): D6#3.2 D7#4.2 R6#9.1
Board_10-Net-(D8-A): D8.2 D9#11.2 R7#11.1
Board_10-Net-(D10-A): D10.2 D11#11.2 R8#3.1
Board_10-Net-(D12-A): D12#7.2 D13#11.2 R9#4.1
Board_10-Net-(SW1A-A): R12#8.1 SW1.1 U1#4.4
Board_10-Net-(U1-PB6/PF4-BOOT0): R11#8.2 U1#4.5
Board_10-unconnected-(U1-PF0-OSCIN-Pad8): U1#4.8
Board_10-unconnected-(U1-PF1-OSCOUT-Pad9): U1#4.9
Board_10-VCC: BT1#3.1 C1#10.2 C2#12.1 C3#11.1 J1#12.4 R10#4.1 R12#8.2 U1#4.20
Board_11-/B: U1#7.12
Board_11-/G: U1#7.14
Board_11-/L1: R4#8.2 U1#7.13
Board_11-/L2: R5#12.2 U1#7.15
Board_11-/L3: R6#12.2 U1#7.16
Board_11-/L4: R7#10.2 U1#7.17
Board_11-/L5: R8.2 U1#7.18
Board_11-/L6: R9#7.2 U1#7.19
Board_11-/MPX1: D3#6.1 D5#4.1 D7#8.1 D9#2.1 D11#8.1 D13#10.1 U1#7.6
Board_11-/MPX2: D2#6.1 D4#10.1 D6#12.1 D8#5.1 D10#12.1 D12#6.1 U1#7.7
Board_11-/nRST: J1#9.5 R10#2.2 U1#7.10
Board_11-/R: U1#7.11
Board_11-/SWC: J1#9.1 U1#7.3
Board_11-/SWD: J1#9.2 U1#7.2
Board_11-GND: BT1#11.2 C1#4.1 C2#3.2 C3#7.2 J1#9.3 R11#6.1 SW1#6.2 U1#7.1
Board_11-Net-(D2-A): D2#6.2 D3#6.2 R4#8.1
Board_11-Net-(D4-A): D4#10.2 D5#4.2 R5#12.1
Board_11-Net-(D6-A): D6#12.2 D7#8.2 R6#12.1
Board_11-Net-(D8-A): D8#5.2 D9#2.2 R7#10.1
Board_11-Net-(D10-A): D10#12.2 D11#8.2 R8.1
Board_11-Net-(D12-A): D12#6.2 D13#10.2 R9#7.1
Board_11-Net-(SW1A-A): R12#10.1 SW1#6.1 U1#7.4
Board_11-Net-(U1-PB6/PF4-BOOT0): R11#6.2 U1#7.5
Board_11-unconnected-(U1-PF0-OSCIN-Pad8): U1#7.8
Board_11-unconnected-(U1-PF1-OSCOUT-Pad9): U1#7.9
Board_11-VCC: BT1#11.1 C1#4.2 C2#3.1 C3#7.1 J1#9.4 R10#2.1 R12#10.2 U1#7.20

## Via types
v1: diameter 0.8, hole 0.4, Top to Bottom, 360 vias
v2: diameter 3, hole 2, Top to Bottom, 12 vias

## Routing (per net, layer and track width the routed paths; a pad name or vN(x,y) marks a point on that pad's centre or on a via; arc(x,y) is an arc through that point)
Board_0-/L1: length 21.4
  Top w0.406: U1#3.13 44.64,155.3 v1(44.79,155.15) ; R4#6.2 36.16,170.44 v1(36.16,169.88)
  Bottom w0.406: v1(36.16,169.88) 36.16,165.06 44.79,156.42 v1(44.79,155.15)
Board_0-/L2: length 3.1
  Top w0.406: U1#3.15 43.34,158.84 R5#7.2
Board_0-/L3: length 25.1
  Top w0.406: U1#3.16 42.69,155.22 v1(42.76,155.15) ; R6#11.2 60.49,164.8 v1(56.98,164.8)
  Bottom w0.406: v1(56.98,164.8) 46.53,154.35 43.56,154.35 v1(42.76,155.15)
Board_0-/L4: length 24.2
  Top w0.406: v1(41.74,155.15) 41.74,155.78 42.04,156.07 U1#3.17 ; R7#12.2 36.16,137.83 v1(36.16,138.39)
  Bottom w0.406: v1(41.74,155.15) 41.74,155.27 41.06,155.95 40.39,155.95 36.92,152.48 36.92,139.15 v1(36.16,138.39)
Board_0-/L5: length 28
  Top w0.406: v1(60.29,143.47) 60.49,143.47 R8#8.2 ; U1#3.18 41.39,156.18 40.73,155.52 v1(40.73,155.15)
  Bottom w0.406: v1(60.29,143.47) 51.9,151.85 44.38,151.85 43.73,152.49 43.73,153.16 42.55,154.35 41.41,154.35 40.73,155.03 v1(40.73,155.15)
Board_0-/L6: length 3.5
  Top w0.406: U1#3.19 40.74,157.96 R9#8.2
Board_0-/MPX1: length 156.4
  Top w0.406: v1(49.36,153.63) 48.93,153.2 D5#5.1 ; v1(35.39,147.78) 34.12,147.78 31.33,150.58 31.33,158.2 32.27,159.14 ; D13.1 32.27,159.14 ; 32.27,159.14 34.89,161.75 34.89,167.54 D3#11.1 ; D11#9.1 58.25,138.88 v1(58.25,138.89) 58.24,138.89 52.4,144.74 44.54,144.74 39.2,139.4 39.2,134.37 D9#5.1 ; v1(63.59,160.74) 64.55,161.7 D7#6.1 ; v1(43.52,149.82) 43.34,150 U1#3.6
  Bottom w0.406: v1(43.52,149.82) 42.51,150.83 42.51,152.83 41.85,153.49 40.08,153.49 39.24,152.65 v1(39.24,137.37) 36.04,137.37 35.35,138.05 35.35,138.72 36.16,139.52 36.16,147.02 v1(35.39,147.78) ; v1(58.25,138.89) 62.06,142.7 62.06,144.86 61.38,145.54 60.24,145.54 52.41,153.37 49.62,153.37 v1(49.36,153.63) 50.63,153.63 58,160.99 63.33,160.99 v1(63.59,160.74)
Board_0-/MPX2: length 155.6
  Top w0.406: v1(35.9,152.1) 36.16,152.36 D4#9.1 ; D12#5.1 31.5,149.13 v1(34.76,145.88) 35.39,145.24 35.39,141.13 D8#6.1 ; D10#2.1 62.88,146.56 v1(61.05,144.74) ; U1#3.7 43.99,152.27 v1(44.54,152.82) ; D2#4.1 39.06,168 43.27,163.79 54.83,163.79 58.25,167.21 v1(58.25,169.88) 59.07,170.69 D6#7.1
  Bottom w0.406: 46.27,152.82 46.55,152.55 52.21,152.55 60.03,144.74 v1(61.05,144.74) 61.09,144.7 61.09,143.13 60.62,142.66 53.34,142.66 51.01,144.99 44.03,144.99 40.22,141.18 40.22,137.21 39.58,136.57 38.91,136.57 38.87,136.61 35.65,136.61 33.89,138.36 v1(33.89,139.63) ; 46.27,152.82 v1(44.54,152.82) ; 46.27,152.82 58.25,164.8 v1(58.25,169.88) ; v1(34.76,145.88) 33.32,147.32 33.32,149.52 v1(35.9,152.1)
Board_0-/nRST: length 8.8
  Top w0.406: J1#11.5 46.45,147.14 45.87,147.72 R10#5.2 45.94,148.61 U1#3.10
Board_0-/SWC: length 17.8
  Top w0.406: U1#3.3 41.39,152.56 v1(41.51,152.68)
  Bottom w0.406: J1#11.1 53.43,147.15 52.54,148.04 50.52,148.04 49.5,147.02 45.05,147.02 41.51,150.55 v1(41.51,152.68)
Board_0-/SWD: length 19.8
  Top w0.406: U1#3.2 40.74,152.45 v1(40.51,152.68) 40.54,152.68
  Bottom w0.406: v1(40.51,152.68) 40.51,150.28 44.54,146.26 50.49,146.26 51.79,144.97 53.24,144.97 53.43,145.16 J1#11.2
Board_0-GND: length 50
  Top w0.406: 35.97,159.4 v1(35.9,159.47) ; C2#4.2 35.97,159.28 ; SW1#11.2 SW1#11.2 52.16,149.09 J1#11.3 ; R11#2.1 v1(38.44,148.55) 37.87,149.12 C3#10.2 37.87,152.86 C1#8.1 40.09,151.28 U1#3.1 40.09,149.31 R11#2.1
  Bottom w0.61: BT1#12.2 15.65,156.17 29.04,156.17 32.35,159.47 v1(35.9,159.47)
  vias: v1(40.98,147.02) v1(40.98,143.72) v1(48.09,149.31) v1(55.71,145.75) v2(10.25,154.13)
Board_0-Net-(D2-A): length 4.9
  Top w0.25: D3#11.2 34.42,171.76 R4#6.1 36.4,172.43 D2#4.2
Board_0-Net-(D4-A): length 17.9
  Top w0.406: R5#7.1 46.82,158.77 46.82,156.09 D5#5.2 47.11,154.35 39.11,154.35 38.94,154.18 37.05,154.18 D4#9.2
Board_0-Net-(D6-A): length 7.2
  Top w0.25: D6#7.2 60.5,168.25 R6#11.1 62.52,164.94 D7#6.2
Board_0-Net-(D8-A): length 4.8
  Top w0.25: D9#5.2 36.4,135.84 R7#12.1 34.42,136.51 D8#6.2
Board_0-Net-(D10-A): length 7.4
  Top w0.25: D11#9.2 60.75,140.27 R8#8.1 62.52,143.33 D10#2.2
Board_0-Net-(D12-A): length 30.3
  Top w0.406: D12#5.2 v1(19.14,154.13) D13.2 ; R9#8.1 v1(39.97,159.72)
  Bottom w0.406: v1(19.14,154.13) 29.3,154.13 33.11,157.94 38.19,157.94 v1(39.97,159.72)
Board_0-Net-(SW1A-A): length 19.6
  Top w0.406: U1#3.4 42.04,152.07 42.38,152.41 42.82,152.41 44.03,153.63 45.3,153.63 47.94,150.98 SW1#11.1 50.17,151.08 50.17,157.19 SW1#11.1 50.17,157.37 R12#9.1
Board_0-Net-(U1-PB6/PF4-BOOT0): length 2.8
  Top w0.406: U1#3.5 42.69,150.47 42.51,150.29 R11#2.2
Board_0-VCC: length 54
  Top w0.406: 46.57,145.87 45.94,145.87 44.22,147.59 R10#5.1 ; J1#11.4 38.83,145.87 35.97,148.73 C3#10.1 ; U1#3.20 40.09,156.99 C1#8.2
  Top w0.61: C3#10.1 35.55,150.32 33.62,152.26 BT1#12.1 33.62,155.79 34.5,156.67 36.6,156.67 C2#4.1 ; C2#4.1 37.87,159.4 39.71,161.25 46.32,161.25 47.84,159.72 R12#9.2 ; C2#4.1 37.87,155.4 C1#8.2
Board_1-/L1: length 21.4
  Top w0.406: v1(105.94,155.15) 105.79,155.3 U1#10.13 ; v1(97.31,169.88) 97.31,170.44 R4#12.2
  Bottom w0.406: v1(105.94,155.15) 105.94,156.42 97.31,165.06 v1(97.31,169.88)
